# Altium PCB PROC010B_PCB.PcbDoc (part 2 of 6) (continued)
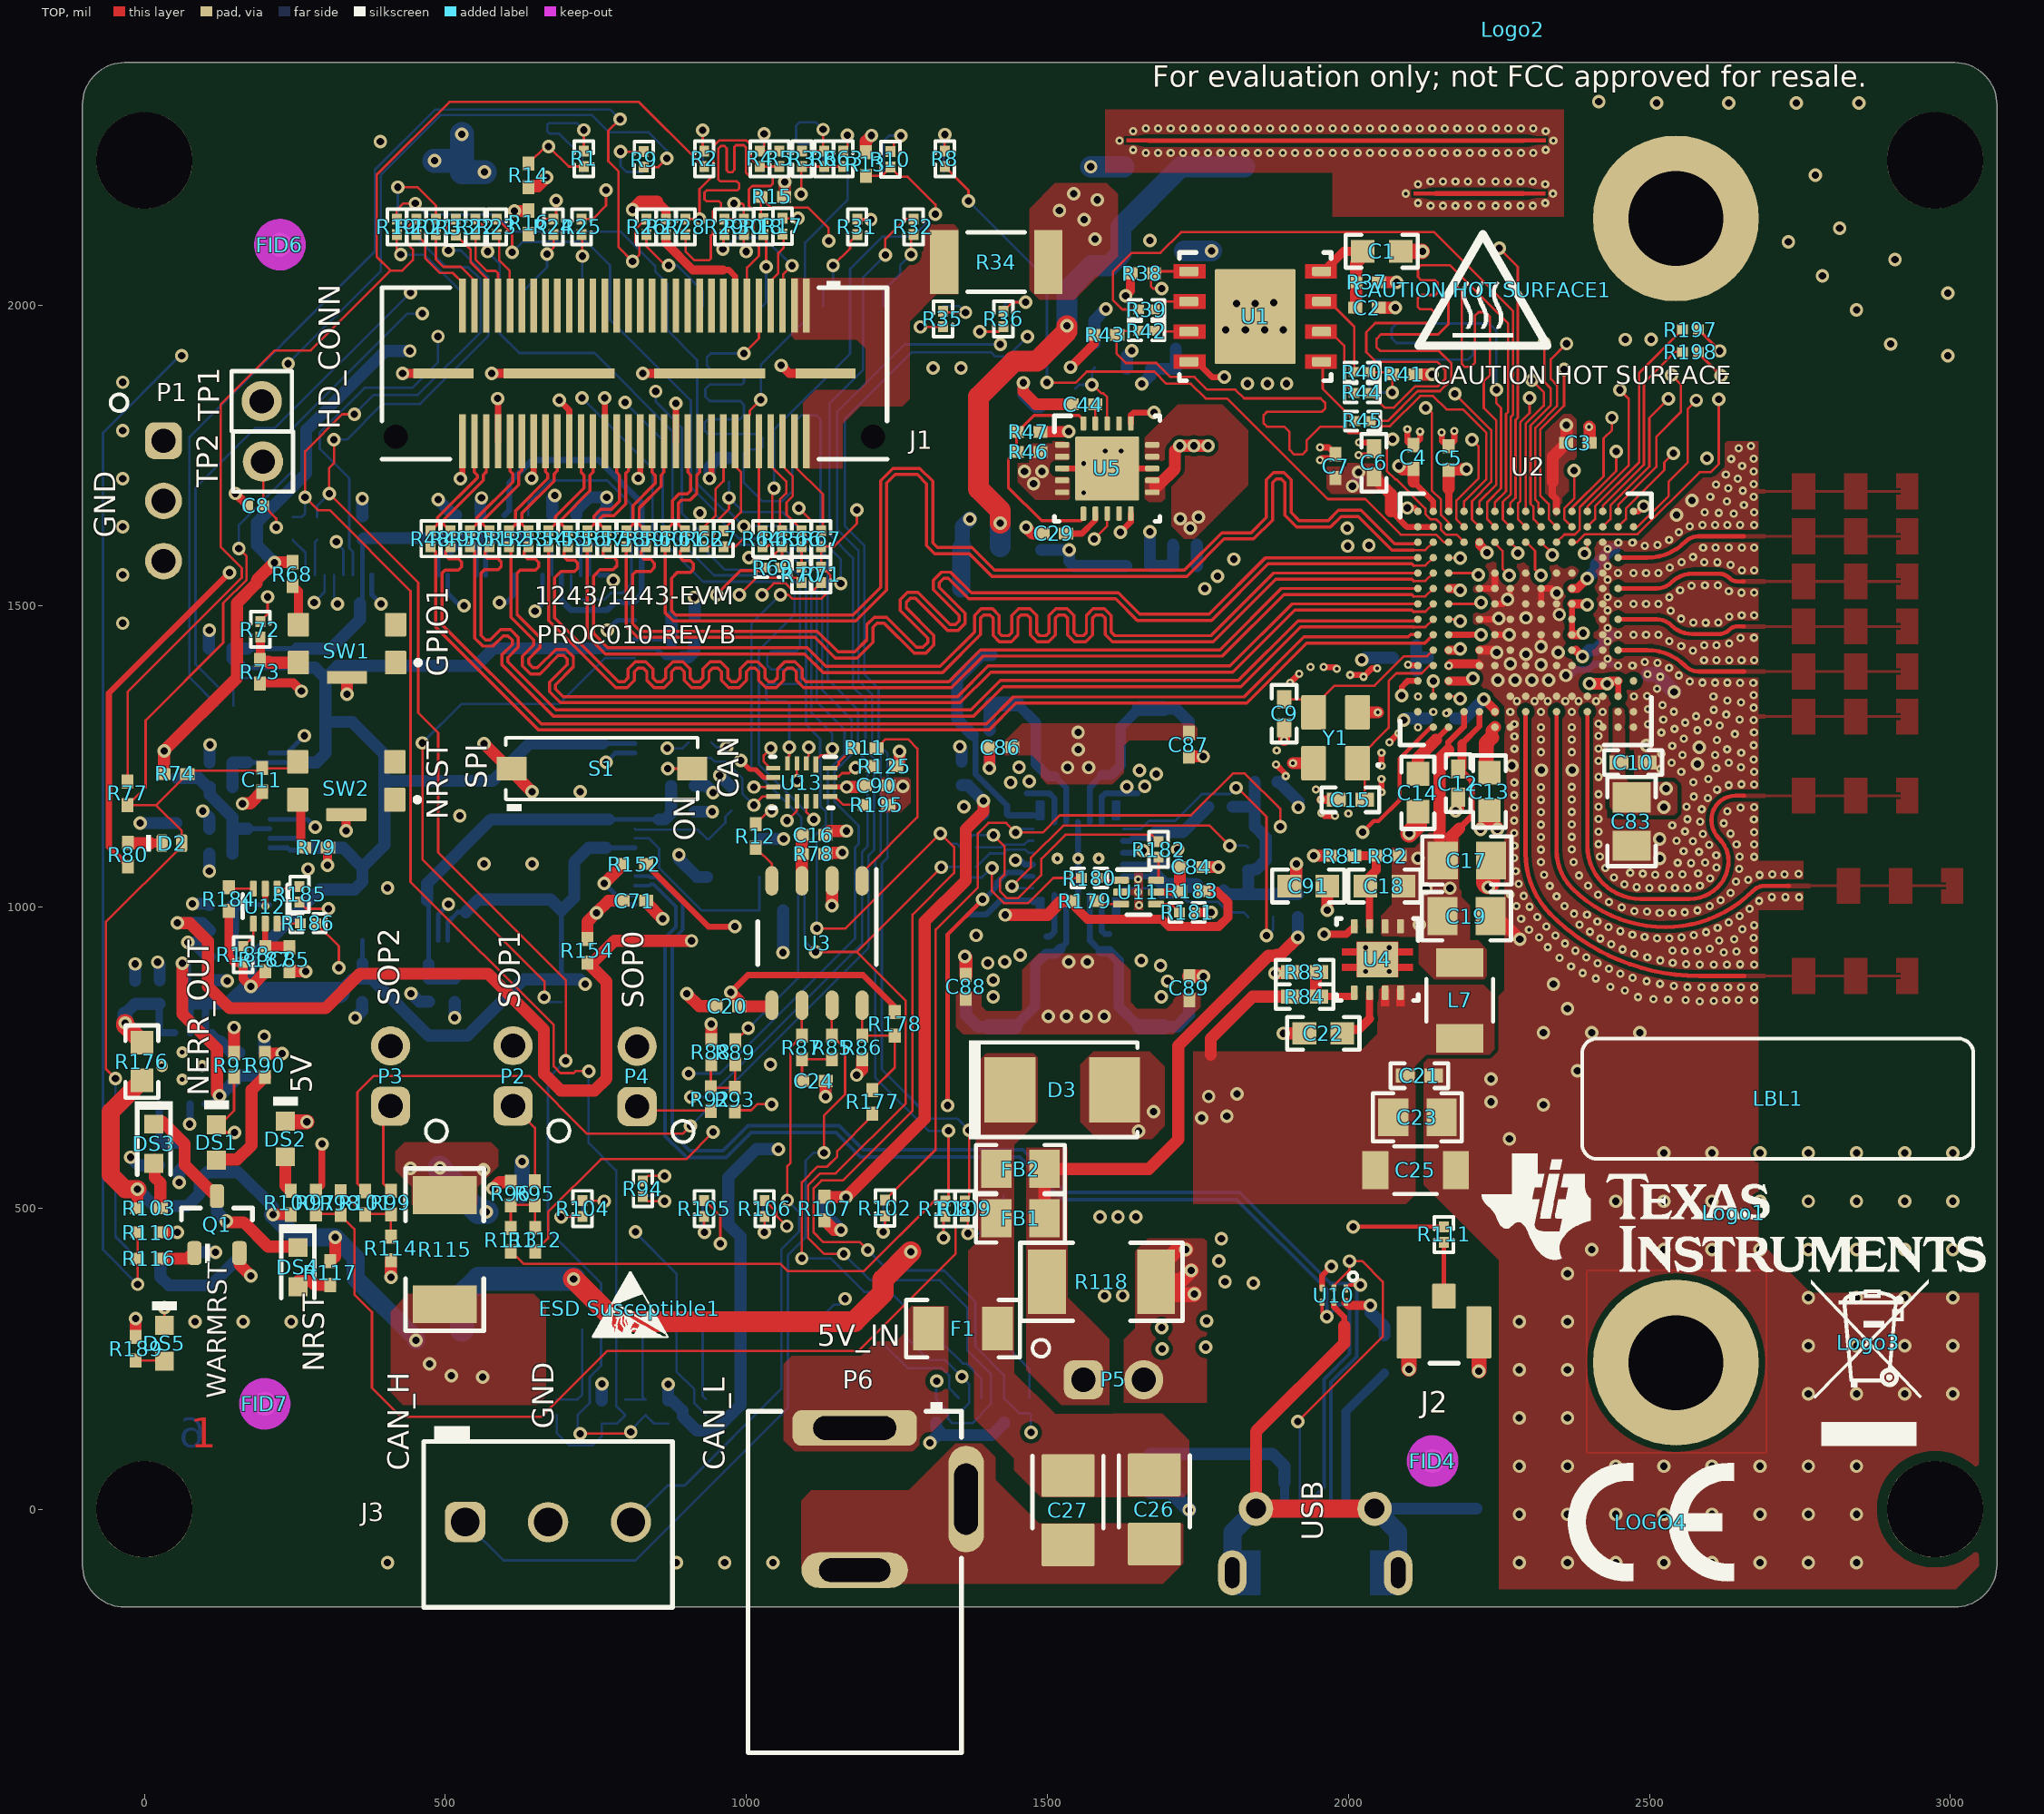
[diagram p0: TOP view]
## Part data (continued)
R156: library part CMP-0026403-2, "RES, 49.9 k, 1%, 0.063 W, AEC-Q200 Grade 0, 0402", Manufacturer=Vishay-Dale, Power_W=63mW, Supplier Part Number 1=541-49.9KLCT-ND, TempCo="100 ppm/C", Tolerance_%=1%, Value2=0.063W, Value_Code=49k9, ValueDisplayed=49.9k, AEC Category=Q200, AEC Grade=0, AEC Qualified=Y, ComponentLink1Description="Datasheet link", ComponentLink1URL=http://www.vishay.com/docs/20035/dcrcwe3.pdf, CompType=Resistor, EIA_Code=E96, MountType=SMT, PackageReference=0402, PartNumber=CRCW040249K9FKED, Res_ohm=49.9k, RoHS=E, SizeArea_mm2=0.5, SizeX_mm=1, SizeY_mm=0.5, SizeZ_mm=0.6, Supplier 1=Digi-Key, Supplier 2=Newark, Supplier 3=Mouser, Supplier Part Number 2=52K7113, Supplier Part Number 3=71-CRCW0402-49.9K-E3, Technology="Thick Film", Value1=1%, VDC_V=50V
R157 R174: library part CMP-0078244-2, "RES, 30.0 k, 1%, 0.063 W, AEC-Q200 Grade 0, 0402", Manufacturer=Vishay-Dale, Power_W=63mW, Supplier Part Number 1=541-30.0KLCT-ND, TempCo="100 ppm/C", Tolerance_%=1%, Value2=0.063W, Value_Code=30k0, ValueDisplayed=30.0k, AEC Category=Q200, AEC Grade=0, AEC Qualified=Y, ComponentLink1Description="Datasheet link", ComponentLink1URL=http://www.vishay.com/docs/20035/dcrcwe3.pdf, CompType=Resistor, Green_EU RoHS="Passed with Exemption", Green_EU RoHS-2=Passed, Green_Lifecycle=Active, Green_REACh=Passed, MountType=SMT, PackageReference=0402, PartNumber=CRCW040230K0FKED, Res_ohm=30k, RoHS=E, SizeArea_mm2=0.5, SizeX_mm=1, SizeY_mm=0.5, SizeZ_mm=0.6, Supplier 1=Digi-Key, Supplier 2=Newark, Supplier 3=Mouser, Supplier Part Number 2=52K6953, Supplier Part Number 3=71-CRCW0402-30K-E3, Technology="Thick Film", Value1=1%, VDC_V=50V
R170 R171: library part CMP-0026244-2, "RES, 2.94 k, 1%, 0.063 W, AEC-Q200 Grade 0, 0402", Manufacturer=Vishay-Dale, Power_W=63mW, Supplier Part Number 1=541-2.94KLCT-ND, TempCo="100 ppm/C", Tolerance_%=1%, Value2=0.063W, Value_Code=2k94, ValueDisplayed=2.94k, AEC Category=Q200, AEC Grade=0, AEC Qualified=Y, ComponentLink1Description="Datasheet link", ComponentLink1URL=http://www.vishay.com/docs/20035/dcrcwe3.pdf, CompType=Resistor, EIA_Code=E96, MountType=SMT, PackageReference=0402, PartNumber=CRCW04022K94FKED, Res_ohm=2.94k, RoHS=E, SizeArea_mm2=0.5, SizeX_mm=1, SizeY_mm=0.5, SizeZ_mm=0.6, Supplier 1=Digi-Key, Supplier 2=Newark, Supplier 3=Mouser, Supplier Part Number 2=52K6814, Supplier Part Number 3=71-CRCW0402-2.94K-E3, Technology="Thick Film", Value1=1%, VDC_V=50V
R190 R191 R192 R193: library part CMP-0026363-2, "RES, 3.83, 1%, 0.063 W, AEC-Q200 Grade 0, 0402", Manufacturer=Vishay-Dale, Power_W=63mW, Supplier Part Number 1=541-3.83LLCT-ND, TempCo="100 ppm/C", Tolerance_%=1%, Value2=0.063W, Value_Code=3R83, ValueDisplayed=3.83, AEC Category=Q200, AEC Grade=0, AEC Qualified=Y, ComponentLink1Description="Datasheet link", ComponentLink1URL=http://www.vishay.com/docs/20035/dcrcwe3.pdf, CompType=Resistor, EIA_Code=E96, MountType=SMT, PackageReference=0402, PartNumber=CRCW04023R83FKED, Res_ohm=3.83, RoHS=E, SizeArea_mm2=0.5, SizeX_mm=1, SizeY_mm=0.5, SizeZ_mm=0.6, Supplier 1=Digi-Key, Supplier 2=Mouser, Supplier Part Number 2=71-CRCW04023R83FKED, Technology="Thick Film", Value1=1%, VDC_V=50V
R194: library part CMP-0026413-2, "RES, 4.87 k, 1%, 0.063 W, AEC-Q200 Grade 0, 0402", Manufacturer=Vishay-Dale, Power_W=63mW, Supplier Part Number 1=541-4.87KLCT-ND, TempCo="100 ppm/C", Tolerance_%=1%, Value2=0.063W, Value_Code=4k87, ValueDisplayed=4.87k, AEC Category=Q200, AEC Grade=0, AEC Qualified=Y, ComponentLink1Description="Datasheet link", ComponentLink1URL=http://www.vishay.com/docs/20035/dcrcwe3.pdf, CompType=Resistor, EIA_Code=E96, MountType=SMT, PackageReference=0402, PartNumber=CRCW04024K87FKED, Res_ohm=4.87k, RoHS=E, SizeArea_mm2=0.5, SizeX_mm=1, SizeY_mm=0.5, SizeZ_mm=0.6, Supplier 1=Digi-Key, Supplier 2=Newark, Supplier 3=Mouser, Supplier Part Number 2=52K7047, Supplier Part Number 3=71-CRCW0402-4.87K-E3, Technology="Thick Film", Value1=1%, VDC_V=50V
S1: library part CMP-0002163-2, "Switch, Slide, SPST, Top Slide, SMT", CurrentRating_mA=100A, Manufacturer="Copal Electronics", Supplier Part Number 1=563-1004-1-ND, Circuit=SPST, ComponentLink1Description="Datasheet URL", ComponentLink1URL=http://copal-electronics.info/en/CopalElectronics/switches_en/chs_en.pdf, CompType=Switch, LatestRevisionDate=2017-03-09, MountType=SMT, Orientation="Top Actuated", PackageReference="Switch, Single Top Slide, 2.5x8x2.5mm", PartNumber=CHS-01TB, PositionCount=1, Publisher="Texas Instruments", RoHS=Y, Supplier 1=Digi-Key, SwitchFunction=Off-On, VDC_V=6V
SW1 SW2: library part CMP-0002325-1, "Switch, SPST-NO, Off-Mom, 0.01 A, 32 VDC, SMD", CurrentRating_mA=10A, Manufacturer="C&K Components", Supplier Part Number 1=401-1432-2-ND, Circuit=SPST-NO, ComponentLink1Description="Datasheet URL", ComponentLink1URL=http://www.ckswitches.com/media/1479/kmr2.pdf, CompType=Switch, LatestRevisionDate=2017-03-09, MountType=SMT, Orientation="Top Actuated", PackageReference=4.2x2.8mm, PartNumber=KMR243GLFG, PositionCount=1, Publisher="Texas Instruments", RoHS=Y, SizeArea_mm2=12.88, SizeAreaWB_mm2=21.28, SizeX_mm=4.6, SizeY_mm=2.8, SizeZ_mm=1.9, Supplier 1=Digi-Key, Supplier 2=Mouser, Supplier Part Number 2=611-KMR243GLFG, SwitchFunction=Off-Mom, VDC_V=32V
TP1 TP2: library part CMP-0055993-1, "Header, 100mil, 1x1, Tin, TH", Color=Black, Current_A=6.3A, Manufacturer=Samtec, Supplier Part Number 1=SAM1067-01-ND, Voltage_V=550V, Cert_CSA=Y, Cert_CULUS=N, Cert_UL=Y, Cert_VDE=N, CNHeader=FALSE, ComponentLink1Description="Datasheet URL", ComponentLink1URL=http://www.samtec.com/documents/webfiles/cpdf/TSW-XXX-XX-XXX-X-XX-XXX-MKT.pdf, CompType=Header, ContactFinish=Tin, CT=FALSE, Gender=Male, Green_EU RoHS=Passed, Green_EU RoHS-2=Passed, Green_Lifecycle=Active, Green_REACh=Passed, LatestRevisionDate=26/05/2017, MountType=TH, Orientation=Vertical, PackageReference="2.54mm Header", PartNumber=TSW-101-17-T-S, PinCount=1, Pitch_mm=2.54, Publisher="Texas Instruments", RoHS=Y, Row_Count=1, Shrouded=N, Supplier 1=Digi-Key, Supplier 2=Newark, Supplier 3=Farnell, Supplier Part Number 2=12P1227, Supplier Part Number 3=2038061
U1: library part CMP-0079267-1, "2.3V-3.6V, 16M-BIT [x 1/x 2/x 4] CMOS FLASH Memory, WSON-8", Manufacturer="Macronix International Co., LTD", Supplier Part Number 1=1092-1211-ND, ComponentLink1Description="Datasheet URL", ComponentLink1URL=http://www.macronix.com/Lists/Datasheet/Attachments/6724/MX25V1635F,%202.5V,%2016Mb,%20v1.4.pdf, MountType=SMT, PackageReference=WSON-8, PartNumber=MX25V1635FZNQ, RoHS=Y, SizeArea_mm2=30, SizeAreaWB_mm2=56, SizeX_mm=6, SizeY_mm=5, SizeZ_mm=0.8, Supplier 1=Digi-Key
U2: library part CMP-0081285-1, "Single Chip 77 and 79 GHz FMCW Transceiver, ABL0161A (FCBGA-161)", Alternate Manufacturer="Texas Instruments", Alternate PartNumber=AWR1243FBIGABLRQ1, AEC Category=Q200, AEC Qualified=N, ComponentLink1Description="Datasheet Link", ComponentLink1URL=http://www.ti.com/lit/ds/symlink/awr1243.pdf, ComponentLink2Description="Product Folder", ComponentLink2URL=http://www.ti.com/product/awr1243, ComponentLink3Description="Online Datasheet", ComponentLink3URL=http://www.ti.com/product/awr1243/datasheet, CompType=IC, Manufacturer="Texas Instruments", MountType=SMT, PackageDescription=FCBGA-161, PackageReference=ABL0161A, PartId=1, PartNumber=AWR1243FBIGABLQ1, SizeArea_mm2=108.16, SizeAreaWB_mm2=153.76, SizeX_mm=10.4, SizeY_mm=10.4, SizeZ_mm=1.17
U3: library part CMP-0075992-1, "Automotive Fault Protected CAN Transceiver With Flexible Data-Rate, D0008A (SOIC-8)", Alternate Manufacturer="Texas Instruments", Alternate PartNumber=TCAN1042HGVDRQ1, ComponentLink1Description="Datasheet Link", ComponentLink1URL=http://www.ti.com/lit/ds/symlink/tcan1042-q1.pdf, CompType=IC, LatestRevisionDate=2017-06-09, Manufacturer="Texas Instruments", MountType=SMT, PackageDescription=SOIC-8, PackageReference=D0008A, PartNumber=TCAN1042HGVDQ1, Publisher="Texas Instruments", RoHS=Y, SizeArea_mm2=30.38, SizeAreaWB_mm2=56.58, SizeX_mm=4.9, SizeY_mm=6.2, SizeZ_mm=1.75, U/M=EA
U4: library part CMP-0073870-2, "Automotive Low-Noise, Wide-Bandwidth, High PSRR, Low-Dropout 1-A Linear Regulator, DRB0008A (VSON-8)", Alternate Manufacturer="Texas Instruments", ComponentLink1Description="Datasheet Link", ComponentLink1URL=http://www.ti.com/lit/ds/symlink/tps7a8101-q1.pdf, CompType=IC, LatestRevisionDate=2017-06-09, Manufacturer="Texas Instruments", MountType=SMT, PackageDescription=VSON-8, PackageReference=DRB0008A, PartNumber=TPS7A8101QDRBRQ1, Publisher="Texas Instruments", RoHS=Y, SizeArea_mm2=9.0, SizeAreaWB_mm2=16.0, SizeX_mm=3.0, SizeY_mm=3.0, SizeZ_mm=1.0, U/M=EA
U5: library part CMP-0073732-2, "Dual, 1-A, Low Noise (3.8-uVRMS), LDO Voltage Regulator, RTJ0020D (WQFN-20)", Alternate Manufacturer="Texas Instruments", Alternate PartNumber=TPS7A8801RTJT, ComponentLink1Description="Datasheet Link", ComponentLink1URL=http://www.ti.com/lit/ds/symlink/tps7a88.pdf, CompType=IC, Green_EU RoHS=Passed, Green_EU RoHS-2=Passed, Green_Lifecycle=Active, Green_REACh=Passed, LatestRevisionDate=2017-06-09, Manufacturer="Texas Instruments", MountType=SMT, PackageDescription=WQFN-20, PackageReference=RTJ0020D, PartNumber=TPS7A8801RTJR, Publisher="Texas Instruments", RoHS=Y, SizeArea_mm2=16.0, SizeAreaWB_mm2=25.0, SizeX_mm=4.0, SizeY_mm=4.0, SizeZ_mm=0.8, U/M=EA
U6: library part CMP-0029856-2, "Tiva C Series Microcontroller, 1024 KB Flash, 256 KB SRAM, 12 Bit, 20 Channels, -40 to 105 degC, 128-Pin TQFP (PDT), Green (RoHS & no Sb/Br), Tray", Manufacturer="Texas Instruments", Temperature Range="-40 to 105 degC", ADC Channels=20, ADC Resolution="12 Bits", ComponentLink1Description="Manufacturer URL", ComponentLink1URL=http://www.ti.com/, ComponentLink2Description=Datasheet, ComponentLink2URL=http://www.ti.com/lit/ds/symlink/tm4c1294ncpdt.pdf, ComponentLink3Description="Package Specification", ComponentLink3URL=http://www.ti.com/lit/ml/mpqf013/mpqf013.pdf, CompType=IC, CPU="ARM Cortex-M4", DatasheetVersion=15863.2743, Eco-Plan="Green (RoHS & no Sb/Br)", Flash="1024 KB", Max Speed="120 MHz", Mounting Technology="Surface Mount", MountType=SMT, PackageDescription="128-Pin Thin Quad Flat Package, Body 14 x 14 mm, Pitch 0.4 mm", PackageReference=PDT0128A, PackageVersion=4087726/A, Packing=Tray, PartId=1, PartNumber=TM4C1294NCPDTT3, SizeArea_mm2=256.0, SizeAreaWB_mm2=324.0, SizeX_mm=16.0, SizeY_mm=16.0, SizeZ_mm=1.2, SRAM="256 KB"
U7: library part CMP-0033001-1, "Precision Micropower Shunt Voltage Reference, 0.5% accuracy, 2.5 V, 15 ppm / degC, 15 mA, -40 to 125 degC, 3-pin SOT-23 (DBZ), Green (RoHS & no Sb/Br)", Manufacturer="Texas Instruments", Rating=Catalog, Temp Coeff(Max)(ppm/ degree C)=100, Temp Coeff(Typ)(ppm/ degree C)=15, Code_JEDEC=TO-236, ComponentLink1Description="Manufacturer URL", ComponentLink1URL=http://www.ti.com/, ComponentLink2Description=Datasheet, ComponentLink2URL=http://www.ti.com/general/docs/lit/getliterature.tsp?genericPartNumber=LM4040C25&fileType=pdf, ComponentLink3Description="Package Specification", ComponentLink3URL=http://www.ti.com/litv/pdf/mpds108a, DatasheetVersion=SLOS456K, Eco-Plan="Green (RoHS & no Sb/Br)", Initial Accuracy @ 25/deg C(%)=0.5, Iout/Iz(Max)(mA)=15, Min Iz for Regulation(uA)=75, Mounting Technology="Surface Mount", PackageDescription="3-Pin Plastic Small Outline, Body 2.92 x 1.3 mm, Pitch 0.95 mm", PackageReference=DBZ0003A, PackageVersion=4203227/B, PartNumber=LM4040C25QDBZR, SubFamily="Shunt Voltage Reference", VO(V)=2.5
U8: library part CMP-0079120-1, "4-A + 2.5-A + Two 1.5-A Buck Converters With Integrated Switches, RNF0026C (VQFN-HR-26)", Alternate Manufacturer="Texas Instruments", Alternate PartNumber=LP87524JRNFTQ1, AEC Category=Q200, AEC Qualified=Y, ComponentLink1Description="Datasheet Link", ComponentLink1URL=http://www.ti.com/lit/ds/symlink/lp87524-q1.pdf, ComponentLink2Description="Product Folder", ComponentLink2URL=http://www.ti.com/product/lp87524-q1, CompType=IC, Manufacturer="Texas Instruments", MountType=SMT, PackageDescription=VQFN-HR-26, PackageReference=RNF0026C, PartNumber=LP87524JRNFRQ1, RoHS=Y, SizeArea_mm2=18, SizeAreaWB_mm2=27.5, SizeX_mm=4, SizeY_mm=4.5, SizeZ_mm=0.9
U9: library part CMP-0036402-3, "Single Output High PSRR LDO, 1 A, Adjustable 1.2 to 5.5 V Output, 2.7 to 5.5 V Input, 8-pin SON (DRB), -40 to 125 degC, Green (RoHS & no Sb/Br)", Manufacturer="Texas Instruments", Accuracy(%)=2, AEC Category=Q200, AEC Qualified=N, ComponentLink1Description="Manufacturer URL", ComponentLink1URL=http://www.ti.com/, ComponentLink2Description=Datasheet, ComponentLink2URL=http://www.ti.com/general/docs/lit/getliterature.tsp?genericPartNumber=TPS79601&fileType=pdf, ComponentLink3Description="Package Specification", ComponentLink3URL=http://www.ti.com/litv/pdf/mpds118h, CompType=IC, DatasheetVersion=SLVS351N, Eco-Plan="Green (RoHS & no Sb/Br)", Iout(Max)(A)=1, Iq(Typ)(mA)=0.26, MountType=SMT, PackageDescription=VSON-8, PackageReference=DRB0008B, PackageVersion=4203482-2/K, PartNumber=TPS79601DRBR, RoHS=Y, SizeArea_mm2=9.0, SizeAreaWB_mm2=16.0, SizeX_mm=3.0, SizeY_mm=3.0, SizeZ_mm=1.0, SubFamily="Single Channel LDO", Vdo(Typ)(mV)=250, Vin(Max)(V)=5.5, Vin(Min)(V)=2.7, Vout Adj(Max)(V)=5.5, Vout Adj(Min)(V)=1.2
U10: library part CMP-0043115-2, "ESD-Protection Array for High-Speed Data Interfaces, 4 Channels, -40 to +85 degC, 6-pin SON (DRY), Green (RoHS & no Sb/Br)", Breakdown Voltage(Min)(V)=6, IO Capacitance(Typ)(pF)=1.6, IO Leakage Current(nA)=1, Manufacturer="Texas Instruments", 1394 / Firewire=TRUE, AEC Category=Q200, AEC Qualified=N, ComponentLink1Description="Datasheet Link", ComponentLink1URL=http://www.ti.com/lit/ds/symlink/tpd4e004.pdf, ComponentLink2Description="Product Folder", ComponentLink2URL=http://www.ti.com/product/tpd4e004, ComponentLink3Description="Online Datasheet", ComponentLink3URL=http://www.ti.com/product/tpd4e004/datasheet, CompType=IC, DatasheetVersion=SLVS729A, Eco-Plan="Green (RoHS & no Sb/Br)", IEC 61000-4-2 Air-Gap(+/- kV)=12, IEC 61000-4-2 Contact(+/- kV)=8, Mounting Technology="Surface Mount", MountType=SMT, PackageDescription=USON-6, PackageReference=DRY0006A, PackageVersion="revF, Dec-2011", PartNumber=TPD4E004DRYR, RoHS=Y, Serial ATA / eSATA=TRUE, SizeArea_mm2=1.45, SizeAreaWB_mm2=4.9, SizeX_mm=1.0, SizeY_mm=1.45, SizeZ_mm=0.6, SubFamily="ESD Solution", USB High Speed=TRUE
U11 U12: library part CMP-0067397-2, "1.4V-Capable +/-0.5degC Temperature Sensor with Alert Function and I2C/SMBus interface in SOT-563, DRL0006A (SOT-OTHER-6)", Alternate Manufacturer="Texas Instruments", Alternate PartNumber=TMP112AIDRLT, ComponentLink1Description="Datasheet Link", ComponentLink1URL=http://www.ti.com/lit/ds/symlink/tmp112.pdf, CompType=IC, Green_EU RoHS=Passed, Green_EU RoHS-2=Passed, Green_Lifecycle=Active, Green_REACh=Passed, LatestRevisionDate=2017-06-09, Manufacturer="Texas Instruments", MountType=SMT, PackageDescription=SOT-OTHER-6, PackageReference=DRL0006A, PartNumber=TMP112AIDRLR, Publisher="Texas Instruments", RoHS=Y, SizeArea_mm2=2.56, SizeAreaWB_mm2=6.76, SizeX_mm=1.6, SizeY_mm=1.6, SizeZ_mm=0.6, U/M=EA
U13: library part CMP-0067415-1, "10-Ohm Quad SPDT Analog Switch, RSV0016A (UQFN-16)", Alternate Manufacturer="Texas Instruments", ComponentLink1Description="Datasheet Link", ComponentLink1URL=http://www.ti.com/lit/ds/symlink/ts3a5018.pdf, CompType=IC, Footprint Path 6=C:\AltiumLibraries\Footprints\TI\.PcbLib, LatestRevisionDate=2017-06-09, Manufacturer="Texas Instruments", MountType=SMT, PackageDescription=UQFN-16, PackageReference=RSV0016A, PartNumber=TS3A5018RSVR, Publisher="Texas Instruments", RoHS=Y, SizeArea_mm2=4.68, SizeAreaWB_mm2=10.08, SizeX_mm=1.8, SizeY_mm=2.6, SizeZ_mm=0.55, U/M=EA
Y1: library part CMP-0004694-3, "Crystal, 40 MHz, 8pF, SMD", Frequency_Fixed=40MHz, Frequency Stability=+/-200ppm, Manufacturer=Kyocera, Supplier Part Number 1=581-CX3225SA40D0PTWC, ComponentLink1Description="Datasheet Link", ComponentLink1URL=http://www.kyocera-crystal.jp/eng/wp-content/uploads/2016/10/cx3225sa_e.pdf, CompType=Crystal, MountType=SMT, PackageReference=3.2x2.5mm, PartNumber=CX3225SA40000D0PTWCC, RoHS=Y, SizeArea_mm2=8, SizeAreaWB_mm2=14.7, SizeX_mm=2.5, SizeY_mm=3.2, SizeZ_mm=0.8, Supplier 1=Mouser, TaMax_C=125°C, TaMin_C=-40°C
Y2: library part CMP-0078214-2, "Crystal, 16 MHz, 15 ppm, 8 pF, AEC-Q200 Grade 1, SMD", Frequency_Fixed=16MHz, Frequency Stability="150 ppm", Frequency Tolerance="10 ppm", Load Capacitance="7.36 pF", Manufacturer=NDK, Supplier Part Number 1=644-1129-1-ND, AEC Category=Q200, AEC Grade=1, AEC Qualified=N, ComponentLink1Description="Datasheet Link", ComponentLink1URL=http://www.ndk.com/images/products/catalog/c_NX3225SA-STD-CRS-2_e.pdf, CompType=Crystal, MountType=SMT, PackageReference=3.2x0.55x2.5mm, PartNumber=NX3225SA-16.000M-STD-CRS-2, RoHS=Y, Supplier 1=Digi-Key, TaMax_C=125°C, TaMin_C=-40°C
ZZ1: library part CMP-0003616-3, ClassName=AssemblyNote, CompType=AssemblyNote, Key=AssemblyNoteLabel, LatestRevisionDate=2017-03-09, Publisher="Texas Instruments"
ZZ2: library part CMP-0077236-1, ClassName=AssemblyNote, CompType=AssemblyNote, Key=AssemblyNote, LatestRevisionDate=2017-08-10, Publisher="Texas Instruments"
ZZ3: library part CMP-0077237-1, ClassName=AssemblyNote, CompType=AssemblyNote, Key=AssemblyNote, LatestRevisionDate=2017-08-10, Publisher="Texas Instruments"
ZZ4: library part CMP-0077238-1, ClassName=AssemblyNote, CompType=AssemblyNote, Key=AssemblyNote, LatestRevisionDate=2017-08-10, Publisher="Texas Instruments"
ZZ5: library part CMP-0077238-1, "Micro USB cable, Brackets, Screws, Nuts, Jumpers and Bump on need to be placed in a platic bag", ClassName=AssemblyNote, CompType=AssemblyNote, Key=AssemblyNote, LatestRevisionDate=2017-08-10, Publisher="Texas Instruments"

## Free pads (board coordinates)
  round 275.59 hole 157.48: 0(2543.95,2143.55) 1(2543.95,243.55)
  round 160 hole 160 unplated: ""(0,0) ""(0,2240) ""(2974.5,0) ""(2974.5,2240)

## Via types
v1: diameter 22.4, hole 12.2, TOP to BOTTOM, tented both sides, 621 vias
v2: diameter 13.77/15.74 (per signal layer), hole 5.9, TOP to L2, tented top, 508 vias
v3: diameter 19.68, hole 7.87, TOP to BOTTOM, tented top, 7 vias
v4: diameter 19.68, hole 7.87, TOP to BOTTOM, 4 vias
v5: diameter 19.68, hole 7.87, TOP to BOTTOM, tented both sides, 3 vias
v6: diameter 19.68, hole 7.87, TOP to BOTTOM, tented bottom, 1 vias

## Nets (pads, with @x,y where several pads share a name; then routed paths per layer and width w, separated by ;. In a path a pad name is that pad's centre, name@x,y a point inside that pad or via, vN(x,y) a via of type N, cw(c..) or ccw(c..) an arc to the next point about the centre after c; other vN are vias at no path point)
3V3_BRD: C41.2 C42.2 C43.2 C50.2 C61.2 C76.2 C77.2 C78.2 R124.2 R127.2 R134.2 R140.2 R155.2 R156.2 R179.2 R183.2 R184.2 R187.2 R188.1 U6.7 U6.8 U6.16 U6.26 U6.28 U6.39 U6.47 U6.51 U6.52 U6.69 U6.79 U6.90 U6.101 U6.113 U6.122 U9.3 U9.4 | length 6461.6
  TOP w15: R184.2@140.38,994.45 R184.2@140.38,993.66 140.38,918.01 150.16,908.23 R188.1@163.83,908.23 163.83,881.17 v1(177,868) ; R179.2@1543.45,1009.92 1543.45,1003.19 1566.64,980 1690,980 1702,968 1784.72,968 1799.73,983.01 1799.73,1007.95 1781,1026.68 R183.2@1759.34,1026.68 R183.2@1758.55,1026.68
  TOP w20: v1(177,868) 200.98,891.98 R187.2@200.98,893.66 ; v1(1430,987) 1500.36,987 1523.28,1009.92 R179.2@1542.66,1009.92 R179.2@1543.45,1009.92
  L3 w20: v1(732,872) 810.21,950.21 810.21,988.21 846.3,1024.3 996.79,1024.3 1086.18,934.9 1086.18,911.5 1112.78,884.9 1263.9,884.9 1366,987 v1(1430,987)
  BOTTOM w8: 161.85,1397.65 254.85,1397.65 ; 171.33,1240.17 252.33,1240.17 ; 171.36,1429.14 253.36,1429.14 ; U6.7@208.64,1098.43 238.07,1098.43 242,1094.5 260.32,1094.5 264.25,1098.43 264.25,1101.25 251.32,1114.18 U6.8@208.64,1114.18 ; 362.18,907.32 U6.122@362.18,944.89 ; 362.18,1508.68 C43.2@362.18,1610.21 ; U6.47@488.17,1551.19 488.17,1582.5 495.15,1589.48 511.07,1589.48 518.22,1596.62 C42.2@518.22,1612.16 ; U6.113@503.92,944.89 503.92,974.56 520.86,991.5 534,991.5 ; C42.2@518.03,1612.36 C42.2@518.22,1612.55 ; U6.51@551.16,1551.19 551.16,1605.41 558.3,1612.55 566.91,1603.94 U6.52@566.91,1551.19 ; R155.2@692.89,880.16 692.89,994.61 ; 757,1429.5 757.36,1429.14 850.37,1429.14 865.11,1414.4 892.75,1414.4 ; 761.16,1271.66 U6.79@814.94,1271.66 ; 767,1098.5 814.87,1098.5 U6.90@814.94,1098.43
  BOTTOM w8.4: 358,1504.5 362.18,1508.68 ; C43.2@362.18,1610.21 C43.2@362.52,1610.55 ; R155.2@692.78,880.05 R155.2@692.89,880.16 ; 892.75,1414.4 893.34,1414.99
  BOTTOM w12: C78.2@67.1,839.85 75.63,831.32 U9.3@75.63,791.44 ; C77.2@108.82,839.85 101.22,832.25 U9.4@101.22,791.44 112.56,791.44 127,777
  BOTTOM w20: C78.2@67.1,839.85 108.82,839.85 148.85,839.85 ; 127,777 145.91,758.09 R156.2@158.03,758.09 ; R140.2@146.55,1199.52 146.55,1239.66 147.06,1240.17 171.33,1240.17 ; 161.85,1397.65 145.95,1413.55 145.95,1429.4 146.21,1429.14 171.36,1429.14 ; v1(177,868) 177,914 292,1029 349,1029 362.18,1042.18 362.18,1066.32 ; 252.33,1240.17 285.67,1240.17 301,1255.5 301,1307.5 ; 253.36,1429.14 309.64,1429.14 358,1477.5 358,1504.5 ; 254.85,1397.65 283.85,1397.65 301,1380.5 ; 264.25,1098.43 330.07,1098.43 362.18,1066.32 ; 324.01,858 347.16,881.15 C76.2@361.92,881.15 ; 362.18,907.32 362.18,881.41 C76.2@361.92,881.15 ; C43.2@362.52,1610.55 364.52,1612.55 518.22,1612.55 558.3,1612.55 558.7,1612.95 R124.2@637.72,1612.95 ; 534,991.5 555,1012.5 675,1012.5 692.89,994.61 714,1015.72 714,1074.5 738,1098.5 767,1098.5 ; v1(732,872) 723.95,880.05 692.78,880.05 630.21,880.05 536.46,786.3 472.2,786.3 377.35,881.15 C76.2@361.92,881.15 ; 757,1429.5 580,1429.5 551,1400.5 321,1400.5 301,1380.5 ; 761.16,1271.66 640.16,1271.66 578,1209.5 399,1209.5 ; 893.34,1414.99 904.49,1414.99 913.55,1424.05 R134.2@913.55,1440.6 ; 301,1307.5 345.46,1307.5 399,1253.96 399,1209.5 ; 301,1307.5 301,1380.5 ; 362.18,1066.32 399,1103.14 399,1209.5
  BOTTOM w35: 148.85,839.85 v1(177,868) 187,858 324.01,858
3V3_MON_XDS_1: R158.2 R159.2 U9.8 | length 106
  BOTTOM w12: R159.2@24.43,608.61 U9.8@24.43,673.31
  BOTTOM w20: R159.2@24.43,608.61 65.54,608.61 R158.2@65.68,608.75
5V_IN: FB1.2 FB2.2 P5.1 R34.2 R78.2 R100.2 R103.2 R115.2 R117.2 R118.1 R149.2 R176.2 | length 2718.1
  TOP w20: R103.2@-11.33,500.07 v1(-11.33,531.5) ; v1(214,489.5) 216,489.5 216,490.16 R100.2@242.91,490.16 ; R117.2@308.61,411.05 317,419.44 v1(317,451.5) ; R78.2@1131.38,1088.29 1133.38,1090.29 v1(1159.19,1090.29) ; FB1.2@1495.18,483.01 FB2.2@1495.18,565.13 1668.47,565.13 1717.57,614.23 1717.57,769.57 1867,919 1879.11,919 1880.94,920.83 1887.33,920.83 v1(1916,949.5)
  TOP w30: v1(-11.33,531.5) -32,531.5 -56,555.5 -56,660 R176.2@-4,712
  L3 w20: v1(1159.19,1090.29) 1308.15,1090.29 1312.05,1094.19 1335.41,1094.19 1389.7,1148.47 1405.4,1148.47 1417.73,1160.8 1566.87,1160.8 1621.82,1105.85 1621.82,1065.13 1658.74,1028.2 1857.86,1028.2 1916,970.06 v1(1916,949.5)
  BOTTOM w20: v1(-11.33,531.5) 16.73,503.5 71.25,503.5 91.81,524.06 91.81,547.66 104.05,559.9 155.6,559.9 214,501.5 v1(214,489.5) ; v1(1916,949.5) 1916.14,949.64 R149.2@1916.14,982.46 R149.2@1916.14,983.25
  BOTTOM w30: v1(214,489.5) 252,451.5 v1(317,451.5) 351,417.5 351,383.5 451,283.5 v1(451,280.5)
  other v1: 562,219.5 510,221.5 474,241.5 1579,2109.5 1561,2141.5 1520,2156.5 1583,2174.5 1544,2184.5
5V_UNREG: C59.2 C60.2 C68.2 C72.2 C73.2 P5.2 R118.2 U8.9 U8.13 U8.18 U8.22 U8.26 | length 679.7
  TOP w25: v1(1730,431.5) 1716,431.5 1686.01,401.51 R118.2@1686.01,379.75 ; v1(1739,396.5) 1722.25,379.75 R118.2@1686.01,379.75 ; v1(1744,357.5) 1743,356.5 1709.26,356.5 R118.2@1686.01,379.75
  BOTTOM w10: 1465.59,1189.06 1503.26,1189.06 1511.63,1180.69 U8.9@1511.63,1141.13 ; 1498.57,951.17 1503.9,951.17 1511.63,958.9 U8.26@1511.63,1019.87 ; U8.22@1590.37,1019.87 1590.37,960.27 1595.3,955.34 1603.08,955.34 ; U8.13@1590.37,1141.13 1590.37,1183.19 1596.05,1188.86 1649.74,1188.86 ; U8.18@1625.81,1070.65 1665.16,1070.66 1669,1074.5 1692.82,1074.5 1700.32,1067 C68.2@1719.76,1067 1716.42,1070.34 v1(1716.42,1096.08)
  other v1: 1410,851 1689,851 1700,877 1410,879 1688,903 1401,907 1429,909 1656,911 1455,920 1631.87,1199.66 1661.71,1200.36 1439,1207 1470,1209 1680.9,1220.81 1652.89,1226.69 1453,1232
+3.3VD: C5.1 C20.2 C90.2 P2.2 P3.2 P4.2 R14.2 R15.2 R16.2 R37.1 R38.2 R41.2 R43.2 R68.2 R74.2 R90.2 R91.2 R125.2 R130.2 R133.2 R170.2 R171.2 R172.2 R173.2 R178.1 R189.2 U2.R13 U3.5 U13.14 | length 10127.1
  TOP w7.87: U13.14@1139.1,1199.34 v1(1166.57,1199.34)
  TOP w10: v1(974,858.48) 1002.52,887 1193.73,887 1246.5,834.23 R178.1@1246.5,825.86
  TOP w12: 2166.55,1694.7 2166.6,1694.65 U2.R13@2166.6,1657.03
  TOP w15: v1(1538.68,1896.5) 1577.39,1935.21 R43.2@1577.39,1950.4 ; v1(1630,2015) 1638,2023 R38.2@1638,2052.34
  TOP w19.68: R189.2@-14.4,286.41 v1(-14.4,316.79)
  TOP w20: R74.2@32.75,1221.14 v1(32.75,1259.5) 153.9,1380.65 153.9,1504.98 186.63,1537.71 186.63,1542.68 v1(216,1572.05) 216.79,1572.84 R68.2@246.04,1572.84 ; R91.2@149,757.57 v1(149,800) ; R90.2@200.46,756.69 v1(229,756.69) ; v1(614.45,2156.05) R16.2@638.2,2156.05 ; R14.2@638.26,2196.95 653.45,2196.95 v1(668,2211.5) ; v1(974,858.48) 987.19,845.29 987.19,835.45 987.39,835.25 U3.5@1042.01,835.25 ; R15.2@1062.49,2179.56 1063.86,2180.92 v1(1063.86,2204.17) ; v1(1166.57,1199.34) 1193.95,1199.34 C90.2@1196.58,1201.97 ; R125.2@1248.95,1234.12 1254.47,1239.64 v1(1254.47,1258.49) ; R37.1@2050.61,2037.7 v1(2080,2037.7) ; R41.2@2111.34,1884.48 v1(2139,1884.48) ; 2166.55,1694.7 C5.1@2166.55,1726.1 2167.47,1727.02 v1(2196,1727.02)
  L3 w20: v1(759.88,208.38) 760.94,207.32 v1(870.18,207.32) 1259.68,207.32 1305,162 v1(1305,110.5) ; v1(1371,1644.5) 1371,1702.77 1538.68,1870.45 v1(1538.68,1896.5) ; v1(1630,2015) 1656.19,1988.81 1716.01,1988.81 1797.54,2070.34 2047.36,2070.34 v1(2080,2037.7) 2139,1978.7 v1(2139,1884.48)
  L3 w25: v1(1166.57,1199.34) 1195.31,1199.34 v1(1254.47,1258.49)
  L3 w30: P4.2@818.44,768.75 909.56,768.75 979,699.31 979,672 v1(1053,598)
  L3 w35: v1(32.75,1259.5) 32.75,1158.15 82.4,1108.5 140.99,1108.5 220.51,1028.98 220.51,874.14 234.9,859.75 234.9,826 ; v1(149,800) 175,826 234.9,826 ; v1(229,756.69) 241.73,769.42 246.99,774.68 246.99,813.91 234.9,826 ; P4.2@818.44,768.75 818.44,847.23 872.04,900.83 931.65,900.83 v1(974,858.48)
  L3 w40: 241.73,769.42 P3.2@409,769.42 409.33,769.75 P2.2@612.44,769.75 629.74,787.05 746.82,787.05 765.12,768.75 P4.2@818.44,768.75
  L4 w20: v1(441,1923.5) 391,1973.5 391,2115.5 411,2135.5 593.9,2135.5 v1(614.45,2156.05) 668,2209.6 v1(668,2211.5) 631.64,2247.86 631.64,2278.23 698.3,2344.88 824.86,2344.88 965.58,2204.17 v1(1063.86,2204.17) 1065.85,2204.17 1102.43,2240.75 1531.64,2240.75 1558.05,2267.16 1637.7,2267.16 1714.91,2189.95 1714.91,2099.91 v1(1630,2015) 1630,1969.94 1556.55,1896.5 v1(1538.68,1896.5)
  L4 w25: v1(974,858.48) 1016.63,901.11 1016.63,958.14 1105.59,1047.11 1159,1047.11 1194.19,1082.3 1194.19,1141.98 1166.57,1169.6 v1(1166.57,1199.34)
  L4 w30: v1(2139,1884.48) 2143.47,1888.95 2192,1888.95 2213.38,1867.57 2213.38,1822.12 2245,1790.5 2245,1751.55 2220.47,1727.02 v1(2196,1727.02)
  L4 w40: v1(-14.4,316.79) -29.94,316.79 -53.75,340.6 -53.75,425.27 23.85,502.87 109.8,502.87 229,622.07 v1(229,756.69)
  BOTTOM w20: v1(216,1572.05) 187.14,1600.91 187.14,1638.64 269,1720.5 269,1792.51 399.99,1923.5 v1(441,1923.5) ; R173.2@759.88,180.84 v1(759.88,208.38) ; v1(870.18,207.32) R172.2@870.18,180.84 876.51,180.84 894.11,163.23 894.11,154 917.44,130.67 948.06,130.67 990.2,172.81 990.2,452.62 970.15,472.67 970.15,551.45 1016.7,598 v1(1053,598) ; v1(1305,110.5) 1317.5,123 1328,123 ; R171.2@1315.37,144.16 R171.2@1315.37,140.23 1315.37,135.63 1328,123 ; R170.2@1428.02,144.16 1428.02,143 1408.02,123 1328,123
  BOTTOM w25: R130.2@1358.81,1598.71 1358.81,1632.31 v1(1371,1644.5)
  BOTTOM w30: R133.2@1357.19,1529.05 1357.19,1597.09 R130.2@1358.81,1598.71
AR_1P3_RF1: C36.2 C37.2 C38.2 C45.1 C46.2 C47.1 L5.2 R131.2 U2.G5 U2.H5 U2.J5 U5.14 U5.15 | length 132.3
  TOP w10: U2.G5@2371.32,1452.31 U2.J5@2371.32,1503.49
  TOP w15: U2.G5@2371.32,1452.31 2387.56,1452.31 v1(2390.05,1454.8) ; U2.J5@2371.32,1503.49 2394.83,1503.49 v1(2396.62,1501.7)
  BOTTOM w20: C46.2@1748.19,1566.52 1748.43,1566.76 R131.2@1748.43,1601.78
  other v1: 1737.33,1629.38 1720.71,1644.84 1751.15,1647.68
AR_1P3_RF2: C28.2 C33.2 C34.2 C35.2 C57.1 C58.1 L8.2 R122.2 R137.1 U2.C2 U2.D2 U5.11 U5.12 | length 208.2
  TOP w10: U2.C2@2448.09,1349.95 U2.D2@2448.09,1375.54
  TOP w15: v1(2430.15,1371) 2434.69,1375.54 U2.D2@2448.09,1375.54
  TOP w20: 1678.94,1698.93 1682.8,1698.93 1711.9,1728.03 1711.9,1757.66 v1(1720.3,1766.07) v1(1743.7,1766.07) v1(1766.84,1766.07) ; v1(2400.5,1371.2) 2400.7,1371 v1(2430.15,1371)
AR_1V2: C3.1 C4.1 C6.1 C7.1 L9.2 U2.F13 U2.N11 U2.P14 U2.P15 U2.R6 U2.R14 | length 492.5
  TOP w10: 2071,1657.5 2097.06,1631.44 U2.P14@2141.01,1631.44 ; 2108,1706.54 2141.01,1673.53 U2.R14@2141.01,1657.03
  TOP w12: 2339.55,1706.05 2339,1705.5 2339,1683.5 2345.73,1676.77 U2.R6@2345.73,1657.03
  TOP w15: U2.F13@2166.6,1426.72 2183.67,1426.72 v1(2185.75,1428.8) ; U2.N11@2217.78,1605.85 2217.78,1601.72 2229.95,1589.55 v1(2229.95,1588.6)
  TOP w20: C6.1@2042.55,1718.5 C6.1@2042.55,1714.18 2071,1685.73 2071,1657.5 ; v1(2084,1732.5) 2090.22,1726.48 2105.35,1726.73 C4.1@2108,1727.74 2108,1706.54 ; 2339.55,1706.05 2339.55,1748.1 2362.25,1770.8 v1@2362.25,1800.5 ; v1(2362,1800.5) v1@2362.25,1800.5 ; v1@2364.31,1800.5 v1@2362.25,1800.5
  BOTTOM w20: v1(2006.84,1698.99) 2016.75,1708.9 v1(2016.75,1722.26)
  other v1: 1761.62,1528.79 1782.43,1549.59
AR_1V4_APLL: C13.1 U2.A10 | length 83.7
  TOP w20: 2238,1281.5 2238,1293.4 U2.A10@2243.37,1298.77
  TOP w25: C13.1@2234.45,1223.4 2228.91,1228.94 2228.91,1272.41 2238,1281.5
AR_1V4_SYNTH: C14.1 U2.A13 | length 98.7
  TOP w10: 2145.55,1277.72 U2.A13@2166.6,1298.77
  TOP w20: C14.1@2115.45,1221.3 2115.45,1247.62 2145.55,1277.72
AR_1V8: C12.1 C17.1 C18.1 C19.1 C39.1 C48.1 C51.1 C52.1 C53.1 C91.2 L7.2 R82.2 U2.B11 U2.B12 U2.D13 U2.F5 U2.K5 U2.K13 U4.1 U4.2 | length 833.1
  TOP w10: 2166.05,1260.37 2166.05,1273.9 2192.19,1300.04 U2.B12@2192.19,1324.36 ; C12.1@2182.55,1225.1 2189.95,1225.1 2204.8,1210.25 2204.8,1151.05 2184.27,1130.52 ; 2188.95,1271.46 2217.78,1300.29 U2.B11@2217.78,1324.36
  TOP w12: U2.F5@2371.32,1426.72 2377.83,1426.72
  TOP w15: U2.D13@2166.6,1375.54 2202.19,1375.54 v1(2206.65,1380) ; U2.K13@2166.6,1529.08 2182.87,1529.08 v1(2185.75,1526.2) ; C12.1@2182.55,1225.1 2188.95,1231.5 2188.95,1271.46 ; U2.K5@2371.32,1529.08 2380.18,1529.08 v1(2396.5,1545.4) ; 2377.83,1426.72 v1(2388.75,1415.8)
  TOP w20: v1(1965,995.04) C91.2@1965,1034.87 ; 2151.55,1114.8 2151.55,1245.87 2166.05,1260.37 ; 2172,1109.5 2172,1118.25 2184.27,1130.52
  BOTTOM w20: 2112.65,1392.98 C53.1@2112.65,1414 ; 2112.65,1435.02 C53.1@2112.65,1414 ; C53.1@2132.07,1414 C53.1@2116.97,1414 C53.1@2112.65,1414 ; v1(2388.75,1415.8) 2400.06,1427.11 2410.75,1427.11 2433.85,1450.21 C51.1@2435.27,1450.21 ; v1(2396.5,1545.4) 2411,1559.9 2411,1568.5 2437.8,1595.3 C39.1@2442.75,1595.3
  other v1: 2118,970.5 2128.79,1030.54 2168.81,1031.38 2115.68,1081.18